# KiCad board Systemmodul25.2.kicad_pcb
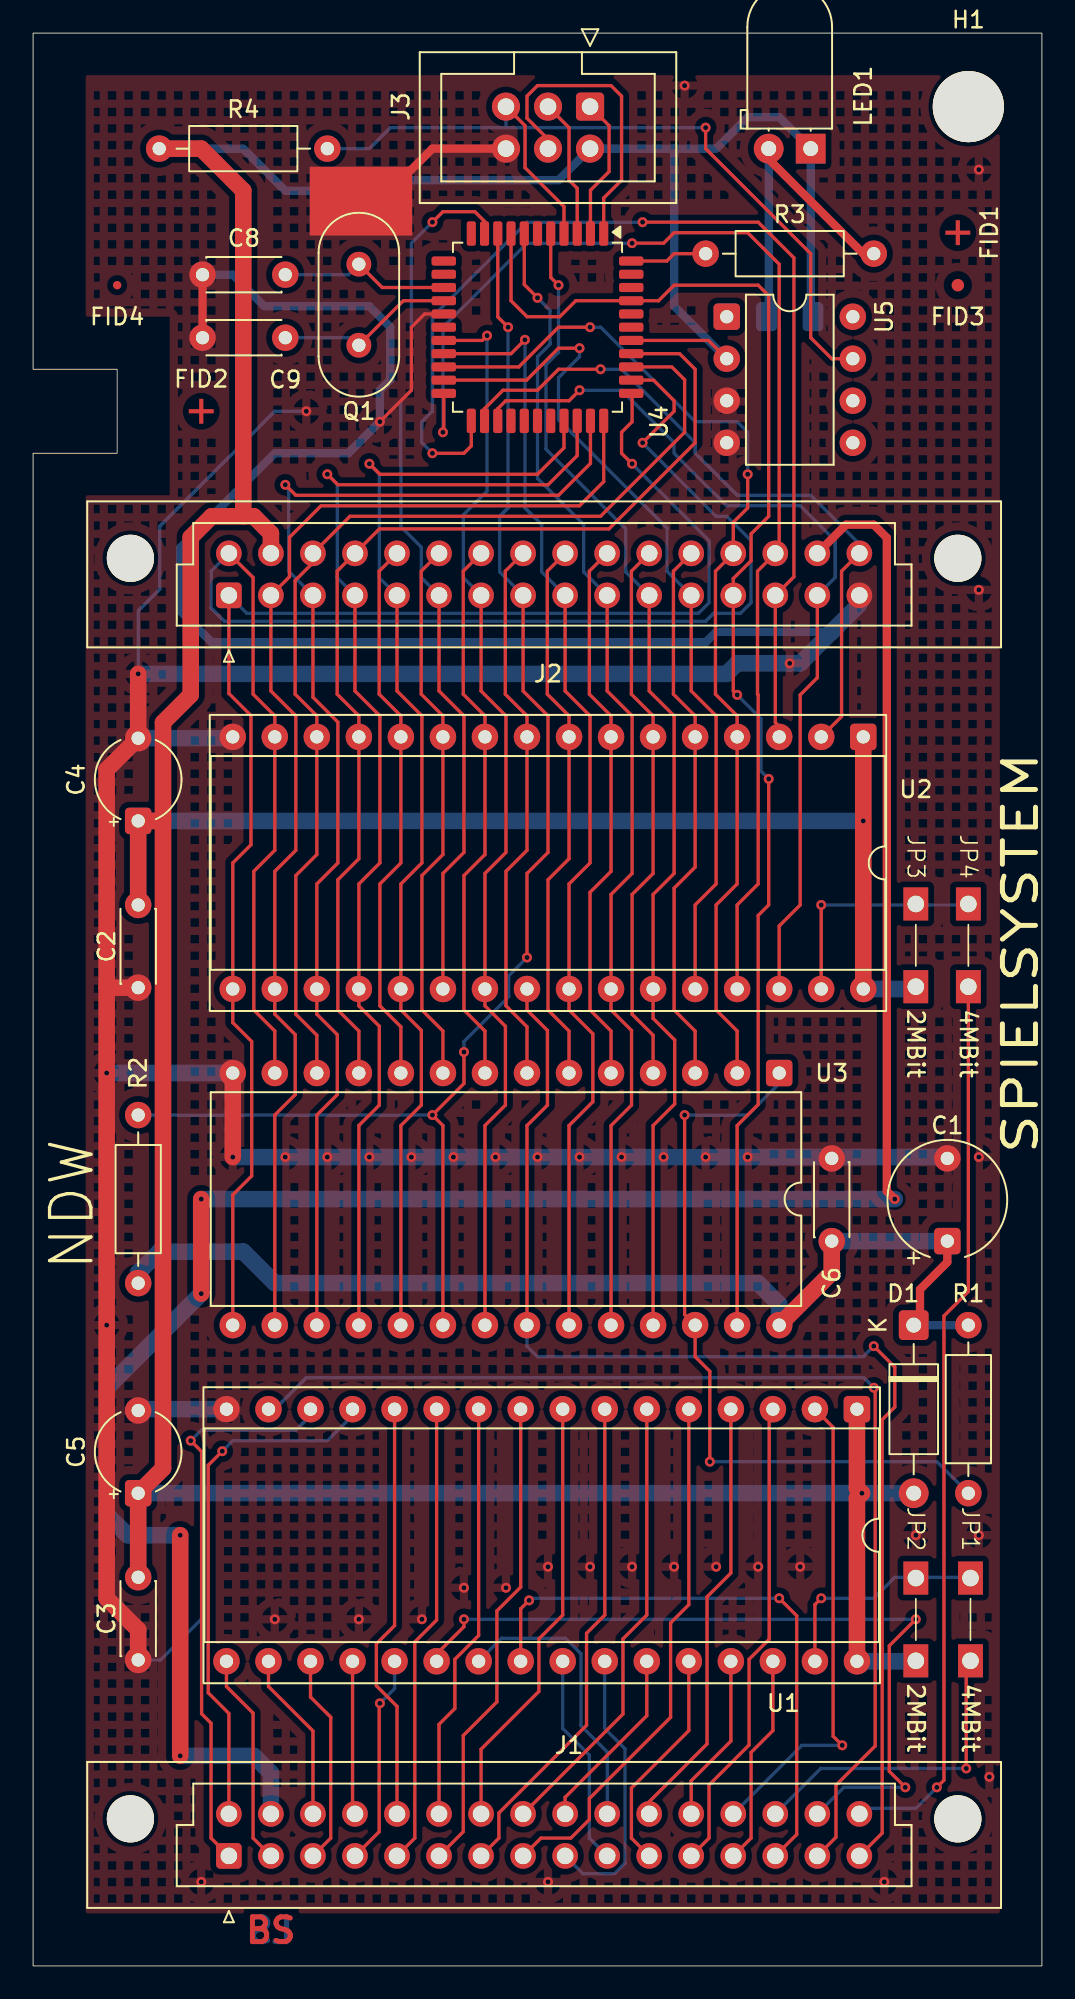
[diagram p0: board, top side]
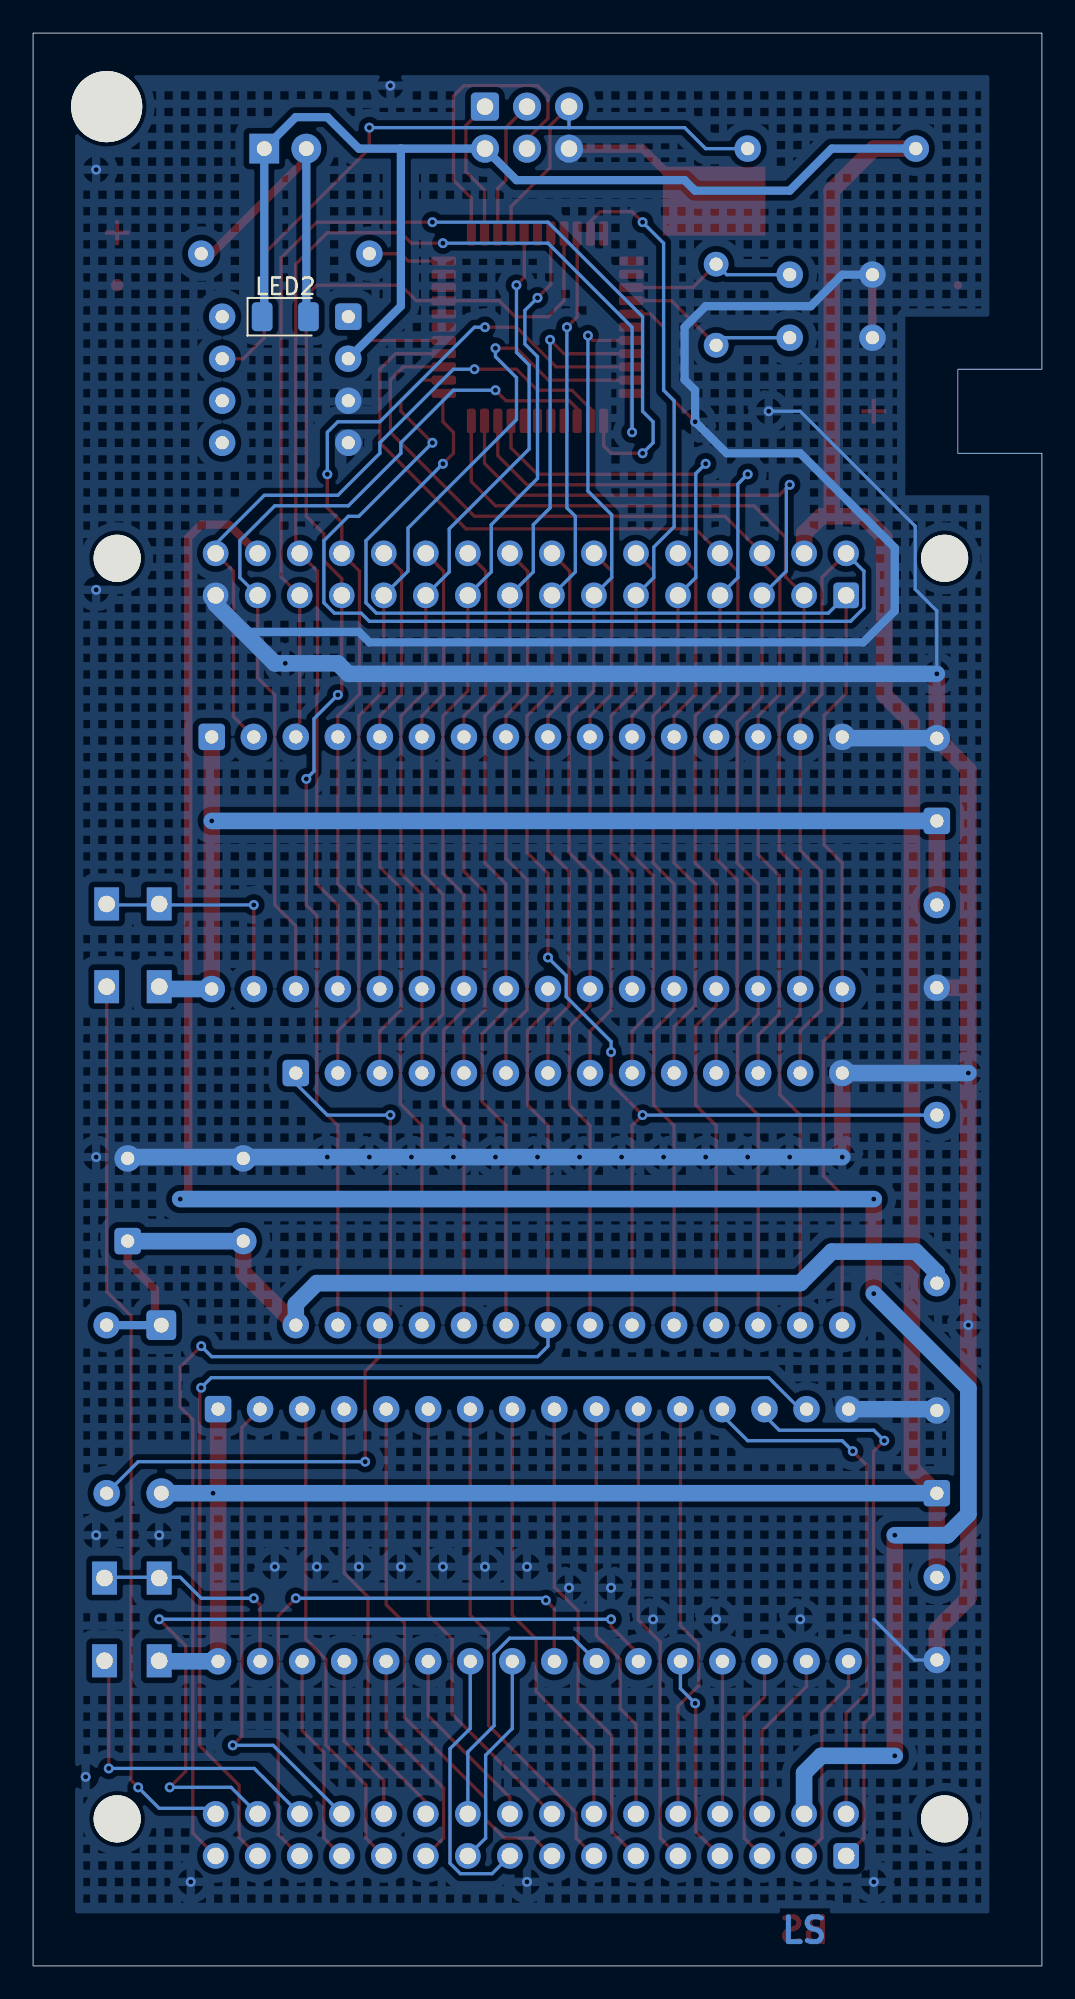
[diagram p1: board, bottom side, seen from below]

Outline 60.96 x 116.84 mm; copper layers: Top, Bottom. Coordinates in mm from the lower left corner of the outline.
Outline path: 0,116.84 60.96,116.84 60.96,0 0,0 0,91.44 5.08,91.44 5.08,96.52 0,96.52 closed

## Placement (name value [footprint] x y rotation side)
C1  C_Polarized  [CP_Radial_Tantal_D7.0mm_P5.00mm]  55.24 43.81 90 top  (not fitted)
C2  223  [C_Disc_D4.3mm_W1.9mm_P5.00mm]  6.35 64.13 270 top
C3  223  [C_Disc_D4.3mm_W1.9mm_P5.00mm]  6.35 23.49 270 top
C4  C_Polarized  [CP_Radial_Tantal_D5.0mm_P5.00mm]  6.35 69.22 90 top  (not fitted)
C5  C_Polarized  [CP_Radial_Tantal_D5.0mm_P5.00mm]  6.35 28.57 90 top  (not fitted)
C6  223  [C_Disc_D4.3mm_W1.9mm_P5.00mm]  48.26 43.81 90 top
C8  33  [C_Disc_D4.3mm_W1.9mm_P5.00mm]  10.24 102.23 0 top
C9  33  [C_Disc_D4.3mm_W1.9mm_P5.00mm]  10.24 98.42 0 top
D1  BAT85  [D_A-405_P10.16mm_Horizontal]  53.21 38.73 270 top
FID1  Fiducial  [Fiducial_Cross_1.5mm_Mask2mm]  55.88 104.77 90 top
FID2  Fiducial  [Fiducial_Cross_1.5mm_Mask2mm]  10.16 93.98 0 top
FID3  Fiducial  [Fiducial_0.75mm_Mask1.5mm]  55.88 101.6 0 top
FID4  Fiducial  [Fiducial_0.5mm_Mask1mm]  5.08 101.6 0 top
H1  MountingHole  [MountingHole_4.3mm_M4]  56.52 112.39 0 top
J1  DIN41612_02x16_AB  [DIN41612_Q2_2x16_Male_Vertical_THT]  11.83 6.65 90 top
J2  DIN41612_02x16_AB  [DIN41612_Q2_2x16_Male_Vertical_THT]  11.83 82.85 90 top
J3  AVR-ISP-6  [IDC-Header_2x03_P2.54mm_Vertical]  33.66 112.39 270 top
JP1  4MBit  [NSM_Jumper]  56.64 20.94 270 top
JP2  2MBit  [NSM_Jumper]  53.34 20.94 270 top
JP3  2MBit  [NSM_Jumper]  53.34 61.69 270 top
JP4  4MBit  [NSM_Jumper]  56.52 61.69 270 top
LED1  LED  [LED_D5.0mm_Horizontal_O1.27mm_Z3.0mm]  46.99 109.85 180 top
LED2  LED  [LED_1206_3216Metric]  45.72 99.69 180 bottom  (not fitted)
Q1  12.00J1  [Crystal_HC18-U_Vertical]  19.68 97.97 90 top
R1  22k  [R_Axial_DIN0207_L6.3mm_D2.5mm_P10.16mm_Horizontal]  56.52 38.73 270 top
R2  22k  [R_Axial_DIN0207_L6.3mm_D2.5mm_P10.16mm_Horizontal]  6.35 41.27 90 top
R3  470  [R_Axial_DIN0207_L6.3mm_D2.5mm_P10.16mm_Horizontal]  40.64 103.5 0 top
R4  220k  [R_Axial_DIN0207_L6.3mm_D2.5mm_P10.16mm_Horizontal]  7.62 109.85 0 top
U1  W27E040  [DIP-32_W15.24mm_Socket]  49.78 33.65 270 top
U2  W27E040  [DIP-32_W15.24mm_Socket]  50.16 74.29 270 top
U3  M48T18-100PC1  [DIP-28_W15.24mm]  45.08 53.97 270 top
U4  ATmega8515-16A  [TQFP-44_10x10mm_P0.8mm]  30.48 99.06 270 top
U5  MAX690CPA  [DIP-8_W7.62mm]  41.92 99.69 0 top

## Library data of the parts
C1 C4 C5 = -: Description: Polarized capacitor; KiLib_Generator: capacitor/THT/other; ki_fp_filters: CP_*
C2 C3 C6 = -: Description: Unpolarized capacitor; KiLib_Generator: capacitor/THT/other; ki_fp_filters: C_*
C8 C9 = -: Description: Unpolarized capacitor; KiLib_Generator: capacitor/THT/other; LCSC: C254101; ki_fp_filters: C_*
D1 = -: Description: Diode; KiLib_Generator: diode/THT; Sim.Device: D; Sim.Pins: 1=K 2=A; LCSC: C5334431; ki_fp_filters: TO-???* *_Diode_* *SingleDiode* D_*
FID1-FID4 = -: Description: Fiducial Marker; KiLib_Generator: fiducial; ki_fp_filters: Fiducial*
H1 = -: Description: Mounting Hole without connection; KiLib_Generator: mounting_hardware/mounting_hole; ki_fp_filters: MountingHole*
J1 J2 = -: Description: DIN41612 connector, double row (AB), 02x16, script generated (kicad-library-utils/schlib/autogen/connector/); KiLib_Generator: connector/IEC_DIN; LCSC: C5173393; ki_fp_filters: DIN41612*2x*
J3 = -: Description: Atmel 6-pin ISP connector; KiLib_Generator: connector/pin_header_socket; LCSC: C601936; ki_fp_filters: IDC?Header*2x03* Pin?Header*2x03*
JP1 JP4 = -: Description: Jumper, 2-pole, closed/bridged; ki_fp_filters: Jumper* TestPoint*2Pads* TestPoint*Bridge*
JP2 JP3 = -: Description: Jumper, 2-pole, open; ki_fp_filters: Jumper* TestPoint*2Pads* TestPoint*Bridge*
LED1 = -: Description: Light emitting diode; KiLib_Generator: LED/THT; Sim.Pins: 1=K 2=A; LCSC: C87271; ki_fp_filters: LED* LED_SMD:* LED_THT:*
LED2 = -: Description: Light emitting diode; KiLib_Generator: 1=K 2=A; LCSC: C2827254; Sim.Pins: 1=K 2=A; ki_fp_filters: LED* LED_SMD:* LED_THT:*
Q1 = -: Description: Two pin crystal; KiLib_Generator: crystal_resonator_oscillator; LCSC: C127674; ki_fp_filters: Crystal*
R1 R2 = -: Description: Resistor; KiLib_Generator: resistor/THT; LCSC: C61301; ki_fp_filters: R_*
R3 = -: Description: Resistor; KiLib_Generator: resistor/THT; LCSC: C61291; ki_fp_filters: R_*
R4 = -: Description: Resistor; KiLib_Generator: resistor/THT; LCSC: C61304; ki_fp_filters: R_*
U1 U2 = -: Datasheet: http://ww1.microchip.com/downloads/en/devicedoc/doc0189.pdf; Description: OTP EPROM 4 MiBit (512 Ki x 8); KiLib_Generator: package/DIP/legacy; LCSC: C72122; ki_fp_filters: DIP*W15.24mm* PLCC*
U3 = -: KiLib_Generator: package/DIP/legacy; LCSC: C72121
U4 = -: Datasheet: http://ww1.microchip.com/downloads/en/DeviceDoc/doc2512.pdf; Description: 16MHz, 8kB Flash, 512B SRAM, 512B EEPROM, TQFP-44; KiLib_Generator: package/gullwing; LCSC: C75774; ki_fp_filters: TQFP*10x10mm*P0.8mm*
U5 = -: Datasheet: https://www.analog.com/media/en/technical-documentation/data-sheets/max690-max695.pdf; Description: Microprocessor Supervisory Circuit, Battery-Backup Power Switching, Power-Fail Comparator, VCC 4.75...5.5V, VBATT 2.0...4.25V, Reset Voltage Threshold 4.65V, Reset Timeout Delay 50ms, Watchdog Timeout 1.6s, DIP-8; KiLib_Generator: package/DIP/legacy; LCSC: C3688193; ki_fp_filters: *DIP*W7.62mm*

## Footprints (pads in the part's own frame, mm; a bottom-side part is the same pattern mirrored in y, then rotated)
C_Disc_D4.3mm_W1.9mm_P5.00mm
  round 1.6 hole 0.8: 1(0,0) 2(5,0)
CP_Radial_Tantal_D5.0mm_P5.00mm
  rrect 1.6x1.6 hole 0.8: 1(0,0)
  round 1.6 hole 0.8: 2(5,0)
CP_Radial_Tantal_D7.0mm_P5.00mm
  rrect 1.6x1.6 hole 0.8: 1(0,0)
  round 1.6 hole 0.8: 2(5,0)
Crystal_HC18-U_Vertical
  round 1.5 hole 0.8: 1(0,0) 2(4.9,0)
D_A-405_P10.16mm_Horizontal
  rrect 1.8x1.8 hole 0.9: 1(0,0)
  round 1.8 hole 0.9: 2(10.16,0)
DIN41612_Q2_2x16_Male_Vertical_THT
  round 2.85 hole 2.85 unplated: (2.24,5.95) (2.24,-44.05)
  rrect 1.55x1.55 hole 1: a1(0,0)
  round 1.55 hole 1: a2(0,-2.54) a3(0,-5.08) a4(0,-7.62) a5(0,-10.16) a6(0,-12.7) a7(0,-15.24) a8(0,-17.78) a9(0,-20.32) a10(0,-22.86) a11(0,-25.4) a12(0,-27.94) a13(0,-30.48) a14(0,-33.02) a15(0,-35.56) a16(0,-38.1) b1(2.54,0) b2(2.54,-2.54) b3(2.54,-5.08) b4(2.54,-7.62) b5(2.54,-10.16) b6(2.54,-12.7) b7(2.54,-15.24) b8(2.54,-17.78) b9(2.54,-20.32) b10(2.54,-22.86) b11(2.54,-25.4) b12(2.54,-27.94) b13(2.54,-30.48) b14(2.54,-33.02) b15(2.54,-35.56) b16(2.54,-38.1)
DIP-8_W7.62mm
  rrect 1.6x1.6 hole 0.8: 1(0,0)
  round 1.6 hole 0.8: 2(0,-2.54) 3(0,-5.08) 4(0,-7.62) 5(7.62,-7.62) 6(7.62,-5.08) 7(7.62,-2.54) 8(7.62,0)
DIP-28_W15.24mm
  rrect 1.6x1.6 hole 0.8: 1(0,0)
  round 1.6 hole 0.8: 2(0,-2.54) 3(0,-5.08) 4(0,-7.62) 5(0,-10.16) 6(0,-12.7) 7(0,-15.24) 8(0,-17.78) 9(0,-20.32) 10(0,-22.86) 11(0,-25.4) 12(0,-27.94) 13(0,-30.48) 14(0,-33.02) 15(15.24,-33.02) 16(15.24,-30.48) 17(15.24,-27.94) 18(15.24,-25.4) 19(15.24,-22.86) 20(15.24,-20.32) 21(15.24,-17.78) 22(15.24,-15.24) 23(15.24,-12.7) 24(15.24,-10.16) 25(15.24,-7.62) 26(15.24,-5.08) 27(15.24,-2.54) 28(15.24,0)
DIP-32_W15.24mm_Socket
  rrect 1.6x1.6 hole 0.8: 1(0,0)
  round 1.6 hole 0.8: 2(0,-2.54) 3(0,-5.08) 4(0,-7.62) 5(0,-10.16) 6(0,-12.7) 7(0,-15.24) 8(0,-17.78) 9(0,-20.32) 10(0,-22.86) 11(0,-25.4) 12(0,-27.94) 13(0,-30.48) 14(0,-33.02) 15(0,-35.56) 16(0,-38.1) 17(15.24,-38.1) 18(15.24,-35.56) 19(15.24,-33.02) 20(15.24,-30.48) 21(15.24,-27.94) 22(15.24,-25.4) 23(15.24,-22.86) 24(15.24,-20.32) 25(15.24,-17.78) 26(15.24,-15.24) 27(15.24,-12.7) 28(15.24,-10.16) 29(15.24,-7.62) 30(15.24,-5.08) 31(15.24,-2.54) 32(15.24,0)
Fiducial_0.5mm_Mask1mm
  round 0.5 smd: (0,0)
Fiducial_0.75mm_Mask1.5mm
  round 0.75 smd: (0,0)
Fiducial_Cross_1.5mm_Mask2mm
  round 0.25 smd: (0,0)
  custom 1.5x1.5 smd: (0,0)
IDC-Header_2x03_P2.54mm_Vertical
  rrect 1.7x1.7 hole 1: 1(0,0)
  round 1.7 hole 1: 2(2.54,0) 3(0,-2.54) 4(2.54,-2.54) 5(0,-5.08) 6(2.54,-5.08)
LED_1206_3216Metric
  rrect 1.25x1.75 smd: 1(-1.4,0) 2(1.4,0)
LED_D5.0mm_Horizontal_O1.27mm_Z3.0mm
  rect 1.8x1.8 hole 0.9: 1(0,0)
  round 1.8 hole 0.9: 2(2.54,0)
MountingHole_4.3mm_M4
  round 4.3 hole 4.3 unplated: (0,0)
NSM_Jumper
  rect 2x1.5 hole 1: 1(-2.5,0) 2(2.5,0)
R_Axial_DIN0207_L6.3mm_D2.5mm_P10.16mm_Horizontal
  round 1.6 hole 0.8: 1(0,0) 2(10.16,0)
TQFP-44_10x10mm_P0.8mm
  rrect 1.475x0.55 smd: 1(-5.662,4) 2(-5.662,3.2) 3(-5.662,2.4) 4(-5.662,1.6) 5(-5.662,0.8) 6(-5.662,0) 7(-5.662,-0.8) 8(-5.662,-1.6) 9(-5.662,-2.4) 10(-5.662,-3.2) 11(-5.662,-4) 23(5.662,-4) 24(5.662,-3.2) 25(5.662,-2.4) 26(5.662,-1.6) 27(5.662,-0.8) 28(5.662,0) 29(5.662,0.8) 30(5.662,1.6) 31(5.662,2.4) 32(5.662,3.2) 33(5.662,4)
  rrect 0.55x1.475 smd: 12(-4,-5.662) 13(-3.2,-5.662) 14(-2.4,-5.662) 15(-1.6,-5.662) 16(-0.8,-5.662) 17(0,-5.662) 18(0.8,-5.662) 19(1.6,-5.662) 20(2.4,-5.662) 21(3.2,-5.662) 22(4,-5.662) 34(4,5.662) 35(3.2,5.662) 36(2.4,5.662) 37(1.6,5.662) 38(0.8,5.662) 39(0,5.662) 40(-0.8,5.662) 41(-1.6,5.662) 42(-2.4,5.662) 43(-3.2,5.662) 44(-4,5.662)

## Nets
GND: C1.2 C2.2 C3.2 C4.2 C5.2 C6.2 C8.1 C9.1 J2.a16 J3.6 U1.16 U2.16 U3.14 U4.16 U5.3 U5.4
VCC: C2.1 C3.1 C4.1 C5.1 D1.2 J2.b2 J3.2 JP2.2 JP3.2 LED1.1 LED2.1 R4.1 U1.1 U1.32 U2.1 U2.32 U4.38 U5.2
VDD: C1.1 C6.1 D1.1 R1.1 R2.1 U3.28
/NVRAM_E2: R1.2 U3.1 U3.26
NVRAM_E1: J2.a8 R2.2 U3.20 U4.9
NVRAM_W: J2.a13 U3.27 U4.8 U4.41
PRG_A0: J2.b5 U2.12 U3.10
PRG_A1: J2.b6 U2.11 U3.9
PRG_A2: J2.b7 U2.10 U3.8
PRG_A3: J2.b8 U2.9 U3.7
PRG_A4: J2.b9 U2.8 U3.6
PRG_A5: J2.b10 U2.7 U3.5
PRG_A6: J2.b11 U2.6 U3.4
PRG_A7: J2.b12 U2.5 U3.3
PRG_A8: J2.a11 U2.27 U3.25 U4.5
PRG_A9: J2.a10 U2.26 U3.24 U4.7
PRG_A10: J2.a7 U2.23 U3.21 U4.18
PRG_A11: J2.a9 U2.25 U3.23 U4.19
PRG_A12: J2.b13 U2.4 U3.2 U4.20
PRG_A13: J2.a12 U2.28 U4.21
PRG_A14: J2.b14 U2.29 U4.22
PRG_A15: J2.a14 U2.3 U4.23
PRG_A16: J2.b16 U2.2 U4.24
PRG_A17: J2.a15 U2.30 U4.25
PRG_A18: J1.b16 JP4.2
PRG_CE: J2.a6 U2.22 U4.10
PRG_D0: J2.b4 U2.13 U3.11 U4.37
PRG_D1: J2.b3 U2.14 U3.12 U4.36
PRG_D2: J2.b1 U2.15 U3.13 U4.35
PRG_D3: J2.a1 U2.17 U3.15 U4.34
PRG_D4: J2.a2 U2.18 U3.16 U4.33
PRG_D5: J2.a3 U2.19 U3.17 U4.32
PRG_D6: J2.a4 U2.20 U3.18 U4.31
PRG_D7: J2.a5 U2.21 U3.19 U4.30
PRG_OE: J1.a16 U2.24 U3.22
RESET: J3.5 R4.2 U4.4 U5.7
SND_A0: J1.b5 U1.12
SND_A1: J1.a5 U1.11
SND_A2: J1.b6 U1.10
SND_A3: J1.a6 U1.9
SND_A4: J1.b7 U1.8
SND_A5: J1.a7 U1.7
SND_A6: J1.b8 U1.6
SND_A7: J1.a8 U1.5
SND_A8: J1.b9 U1.27
SND_A9: J1.a9 U1.26
SND_A10: J1.b10 U1.23
SND_A11: J1.a10 U1.25
SND_A12: J1.b11 U1.4
SND_A13: J1.a11 U1.28
SND_A14: J1.b12 U1.29
SND_A15: J1.a12 U1.3
SND_A16: J1.b13 U1.2
SND_A17: J1.a13 U1.30
SND_A18: J1.b14 JP1.2
SND_CE: J1.b15 U1.22
SND_D0: J1.b1 U1.13
SND_D1: J1.a1 U1.14
SND_D2: J1.a15 U1.15
SND_D3: J1.a2 U1.17
SND_D4: J1.b3 U1.18
SND_D5: J1.a3 U1.19
SND_D6: J1.b4 U1.20
SND_D7: J1.a4 U1.21
SND_OE: J1.a14 U1.24
Net-(J1-Pin_b2): J1.b2 J2.b15
Net-(J3-MISO): J3.1 U4.2
Net-(J3-MOSI): J3.4 U4.1
Net-(J3-SCK): J3.3 U4.3
Net-(JP1-A): JP1.1 JP2.1 U1.31
Net-(JP3-A): JP3.1 JP4.1 U2.31
Net-(LED1-A): LED1.2 LED2.2 R3.2
Net-(U4-PB4): R3.1 U4.44
Net-(U4-XTAL1): C9.2 Q1.1 U4.15
Net-(U4-XTAL2): C8.2 Q1.2 U4.14

Pads without a net: U4 6 11 12 13 17 26 27 28 29 39 40 42 43; U5 1 5 6 8

## Via types
v1: diameter 0.6, hole 0.3, Top to Bottom, 91 vias

## Routing (per net, layer and track width the routed paths; a pad name or vN(x,y) marks a point on that pad's centre or on a via; arc(x,y) is an arc through that point)
GND: length 301.3
  Top w0.2: v1(20.96,93.34) 22.86,95.25 22.86,99.06 23.66,99.86 U4.16
  Top w0.5: 20.96,106.68 24.13,109.85 J3.6 ; C8.1 C9.1
  Top w1: U3.14 v1(12.07,48.89) ; C3.2 6.35,20.32 4.45,22.22 4.45,59.18 ; 4.45,59.18 4.45,72.31 C4.2 v1(6.35,78.1) ; 4.45,59.18 4.49,59.13 C2.2
  Bottom w0.2: 10.16,20.95 7.7,18.49 C3.2 ; v1(16.51,93.98) 14.61,93.98 7.66,87.03 7.66,83.22 6.35,81.91 v1(6.35,78.1)
  Bottom w0.5: 48.26,80.64 41.28,80.64 40.64,80.01 10.79,80.01 8.89,81.91 8.89,85.72 14.61,91.44 19.05,91.44 v1(20.96,93.34) 20.96,95.25 21.59,95.88 21.59,99.06 20.32,100.33 13.97,100.33 12.07,102.23 C8.1
  Bottom w1: U1.16 6.43,33.65 ; 55.16,48.89 v1(12.07,48.89) ; J2.a16 49.93,82.31 46.36,78.74 v1(45.72,78.74) 42.55,78.74 41.91,78.1 v1(6.35,78.1) ; U3.14 v1(4.45,53.97) ; C4.2 11.98,74.22
  vias: v1(4.45,38.73) v1(10.16,5.08) v1(14.61,20.95) v1(15.24,48.89) v1(17.78,48.89) v1(19.68,20.95) v1(20.32,48.89) v1(22.86,48.89) v1(23.5,20.95) v1(25.4,48.89) v1(26.04,22.86) v1(27.94,48.89) v1(28.57,22.86) v1(30.48,48.89) v1(31.11,24.13) v1(31.11,5.08) v1(33.02,48.89) v1(33.66,24.13) v1(35.56,48.89) v1(36.19,24.13) v1(38.1,48.89) v1(38.73,24.13) v1(39.37,113.66) v1(40.64,48.89) v1(41.28,24.13) v1(43.18,48.89) v1(43.81,24.13) v1(46.36,24.13) v1(51.44,5.08) v1(53.34,26.03) v1(57.15,108.58) v1(57.15,83.19) v1(57.15,48.89) v1(57.15,26.03) v1(57.78,11.43)
VCC: length 305.1
  Top w0.2: U5.2 40.81,98.26 U4.38
  Top w1: 7.85,69.34 7.72,69.22 C4.1 C2.1 ; 7.85,69.34 7.85,75.16 9.52,76.83 9.52,86.36 10.79,87.63 12.7,87.63 ; 7.85,69.34 7.85,30.08 C5.1 C3.1 ; 12.7,87.63 12.7,107.31 10.16,109.85 R4.1 ; 12.7,87.63 13.34,87.63 14.37,86.59 14.37,85.39 ; U2.1 U2.32 ; U1.1 49.78,28.88 v1(50.08,28.57) 49.78,28.27 U1.32
  Bottom w0.5: 38.73,109.85 J3.2 31.75,107.95 21.59,107.95 20.96,107.31 15.24,107.31 12.7,109.85 R4.1 ; 38.73,109.85 41.28,109.85 43.18,111.76 45.08,111.76 LED1.1 46.99,99.82 ; 38.73,109.85 38.73,100.33 U5.2
  Bottom w1: U1.32 53.34,18.41 ; C5.1 D1.2 ; v1(50.16,69.22) C4.1 ; U2.32 53.34,59.05
VDD: length 65.1
  Top w0.5: C1.1 55.24,42.54 53.59,40.89 53.59,39.12 D1.1
  Top w1: U3.28 48.26,41.91 C6.1
  Bottom w0.5: D1.1 R1.1
  Bottom w1: R2.1 6.35,41.91 7.62,43.18 12.7,43.18 14.61,41.27 43.81,41.27 45.08,40 U3.28 ; C6.1 C1.1
/NVRAM_E2: length 44.5
  Top w0.2: v1(39.37,51.43) 39.37,39.37 U3.26 40,36.83 40.89,35.94 v1(40.89,30.48)
  Bottom w0.2: 45.08,53.34 43.18,51.43 v1(39.37,51.43) ; v1(40.89,30.48) 54.61,30.48 R1.2
NVRAM_E1: length 88.6
  Top w0.2: v1(29.85,60.96) 29.85,66.04 31.11,67.31 31.11,75.56 29.61,77.07 J2.a8 ; U4.9 28.08,99.68 v1(28.7,99.06) ; U3.20 24.76,50.8 v1(24.13,51.43) 26.04,53.34 v1(26.04,55.24)
  Bottom w0.2: v1(28.7,99.06) 28.7,88.14 28.19,87.63 28.19,84.27 J2.a8 ; v1(29.85,60.96) 28.74,59.86 28.74,58.59 26.04,55.88 v1(26.04,55.24) ; R2.2 v1(24.13,51.43)
NVRAM_W: length 85.9
  Top w0.2: U3.27 42.55,50.8 43.81,52.07 43.81,63.5 44.45,64.13 v1(44.45,71.75) ; U4.8 28.88,100.66 29.85,99.69 31.83,99.69 32.79,100.66 U4.41 37.8,100.66 38.73,101.6 43.81,101.6 44.45,100.96 44.45,87.63 43.39,86.57 43.39,84.94 42.31,83.87 J2.a13 42.31,77.07 v1(42.55,76.83)
  Bottom w0.2: v1(44.45,71.75) 43.98,72.22 43.98,75.4 v1(42.55,76.83)
PRG_A0: length 33.5
  Top w0.2: J2.b5 20.91,84.31 20.91,76.88 22.22,75.56 U2.12 22.22,66.67 20.96,65.4 20.96,58.04 22.22,56.77 U3.10
PRG_A1: length 33.5
  Top w0.2: J2.b6 23.45,84.31 23.45,76.88 24.76,75.56 U2.11 24.76,67.18 23.5,65.91 23.5,57.78 24.76,56.51 U3.9
PRG_A2: length 33.5
  Top w0.2: U3.8 27.3,56.51 26.04,57.78 26.04,65.91 27.3,67.18 U2.10 27.3,75.56 25.99,76.88 25.99,84.31 J2.b7
PRG_A3: length 33.5
  Top w0.2: U3.7 29.85,56.77 28.57,58.04 28.57,66.17 29.85,67.44 U2.9 29.85,75.56 28.53,76.88 28.53,84.31 J2.b8
PRG_A4: length 33.5
  Top w0.2: 32.15,85.39 31.07,84.31 31.07,76.88 32.39,75.56 U2.8 32.39,66.93 31.11,65.66 31.11,57.78 32.39,56.51 U3.6
PRG_A5: length 33.5
  Top w0.2: U3.5 34.92,56.51 33.66,57.78 33.66,64.9 34.92,66.17 U2.7 34.92,75.56 33.61,76.88 33.61,84.31 J2.b10
PRG_A6: length 33.5
  Top w0.2: U3.4 37.47,56.26 36.19,57.53 36.19,64.77 37.47,66.04 U2.6 37.47,75.56 36.15,76.88 36.15,84.31 37.23,85.39
PRG_A7: length 33.5
  Top w0.2: J2.b12 38.69,84.31 38.69,76.88 40,75.56 U2.5 40,66.42 38.73,65.15 38.73,57.78 40,56.51 U3.3
PRG_A8: length 71.3
  Top w0.2: 37.23,82.85 37.23,77.07 38.73,75.56 38.73,66.04 37.47,64.77 U2.27 37.47,57.28 38.77,55.97 38.77,52.1 37.47,50.8 U3.25 ; v1(31.75,101.6) 31.28,102.07 U4.5
  Bottom w0.2: 37.23,82.85 35.81,84.27 35.81,86.87 30.99,91.69 30.99,96.77 31.75,97.54 v1(31.75,101.6)
PRG_A9: length 70.9
  Top w0.2: 29.68,104.72 29.68,101.64 v1(30.48,100.84) ; U3.24 34.92,50.8 36.16,52.04 36.16,56.55 34.92,57.78 U2.26 34.92,64.77 36.19,66.04 36.19,75.56 34.69,77.07 J2.a10
  Bottom w0.2: v1(30.48,100.84) 31.24,100.08 31.24,98.04 30.48,97.28 30.48,89.92 33.27,87.12 33.27,84.27 J2.a10
PRG_A10: length 65.8
  Top w0.2: U3.21 27.3,50.8 28.54,52.04 28.54,56.8 27.3,58.04 U2.23 27.3,66.04 28.57,67.31 28.57,75.56 27.07,77.07 J2.a7 ; v1(27.43,98.55) 27.14,98.26 U4.18
  Bottom w0.2: J2.a7 25.99,83.93 25.99,87.72 27.43,89.15 v1(27.43,98.55)
PRG_A11: length 68.2
  Top w0.2: U4.19 28.88,97.46 v1(29.72,98.3) ; U3.23 32.39,50.8 33.82,52.24 33.82,56.35 32.39,57.78 U2.25 32.39,65.4 33.66,66.67 33.66,75.56 32.15,77.07 32.15,82.85
  Bottom w0.2: v1(29.72,98.3) 29.72,88.14 30.73,87.12 30.73,84.27 32.15,82.85
PRG_A12: length 63.1
  Top w0.2: U3.2 42.55,56.51 41.28,57.78 41.28,64.13 42.55,65.4 U2.4 42.55,75.56 41.23,76.88 41.23,84.31 J2.b13 42.31,87.27 43.18,88.14 v1(43.18,90.17) ; U4.20 29.35,96.66 31.75,99.06 v1(33.66,99.06)
  Bottom w0.2: v1(33.66,99.06) 34.29,99.06 40,93.34 42.55,93.34 43.18,92.71 v1(43.18,90.17)
PRG_A13: length 52.7
  Top w0.2: U2.28 40,64.13 41.28,65.4 41.28,75.56 39.77,77.07 J2.a12 ; U4.21 29.82,95.86 31.75,97.79 v1(33.02,97.79)
  Bottom w0.2: v1(33.02,97.79) 33.02,97.28 31.75,96.01 31.75,93.47 38.31,86.92 38.31,84.31 J2.a12
PRG_A14: length 76.8
  Top w0.2: U4.22 24.82,92.76 v1(24.76,92.71) ; 45.08,85.62 45.08,102.87 43.18,104.77 38.73,104.77 38.1,104.14 v1(36.19,104.14) ; J2.b14 43.77,84.31 43.77,76.88 43.81,76.83 43.81,65.4 42.55,64.13 U2.29
  Bottom w0.2: v1(36.19,104.14) 29.85,104.14 24.76,99.06 v1(24.76,92.71)
PRG_A15: length 66.8
  Top w0.2: v1(24.13,91.44) 26.04,91.44 26.48,91.88 U4.23 ; 45.08,74.93 44.85,75.16 J2.a14 45.97,83.97 45.97,103.25 43.81,105.41 v1(36.83,105.41)
  Bottom w0.2: v1(24.13,91.44) 23.5,92.07 23.5,93.34 24.13,93.98 24.13,99.69 29.85,105.41 v1(36.83,105.41)
PRG_A16: length 41.2
  Top w0.2: J2.b16 48.85,84.31 48.85,75.52 U2.2 ; v1(34.29,96.52) 31.75,96.52 30.48,95.25 28.4,95.25 27.28,94.13 U4.24
  Bottom w0.2: 49.93,85.96 46.99,88.9 42.55,88.9 40,91.44 40,92.07 35.56,96.52 v1(34.29,96.52)
PRG_A17: length 54.2
  Top w0.2: U2.30 45.08,62.86 46.36,64.13 46.36,76.83 47.39,77.87 J2.a15 ; U4.25 28.08,94.13 28.56,94.61 32.39,94.61 v1(33.02,95.25)
  Bottom w0.2: v1(33.02,95.25) 35.56,95.25 38.73,92.07 38.73,91.44 41.91,88.26 46.36,88.26 48.47,86.15 48.47,83.93 J2.a15
PRG_A18: length 53.9
  Top w0.2: 56.52,59.05 56.52,40.77 55.04,39.29 55.04,11.23 v1(54.61,10.79)
  Bottom w0.2: 50.27,9.52 53.34,9.52 v1(54.61,10.79)
PRG_CE: length 53.6
  Top w0.2: J2.a6 24.53,77.07 26.04,75.56 26.04,67.31 24.76,66.04 U2.22 ; v1(24.13,105.41) 24.76,106.04 26.69,106.04 27.28,105.46 U4.10
  Bottom w0.2: v1(24.13,105.41) 22.86,104.14 22.86,95.25 22.22,94.61 22.22,86.99 23.45,85.77 23.45,83.93 J2.a6
PRG_D0: length 65.5
  Top w0.2: U4.37 39.06,97.46 40,96.52 40,92.07 34.8,86.87 20.93,86.87 J2.b4 18.37,84.31 18.37,76.88 19.68,75.56 U2.13 19.68,66.93 18.42,65.66 18.42,57.78 19.68,56.51 U3.11
PRG_D1: length 65.1
  Top w0.2: U3.12 17.14,56.26 15.88,57.53 15.88,65.91 17.14,67.18 U2.14 17.14,75.56 15.83,76.88 15.83,83.75 16.91,84.82 ; U4.36 38.59,96.66 39.37,95.88 39.37,92.71 34.29,87.63 19.15,87.63 J2.b3
PRG_D2: length 90
  Top w0.2: J2.b1 13.29,83.93 13.29,76.88 14.61,75.56 U2.15 14.61,67.44 13.34,66.17 13.34,57.78 14.61,56.51 U3.13 ; U4.35 37.49,95.86 38.73,94.61 38.73,93.98 v1(36.83,92.07)
  Bottom w0.2: v1(36.83,92.07) 41.28,87.63 41.91,87.63 43.39,86.15 43.39,82.4 42.76,81.77 41.13,81.77 40.64,81.28 11.56,81.28 10.75,82.09 10.75,84.31 J2.b1
PRG_D3: length 90.8
  Top w0.2: v1(36.19,90.8) 35.56,91.44 35.56,92.71 36.19,93.34 36.19,95.01 ; U3.15 12.07,46.61 13.21,47.75 13.21,55.88 12.07,57.02 U2.17 12.07,66.67 13.17,67.78 13.17,75.59 11.83,76.92 J2.a1
  Bottom w0.2: v1(36.19,90.8) 40.85,86.15 40.85,82.4 40.22,81.77 12.91,81.77 J2.a1
PRG_D4: length 74.3
  Top w0.2: U3.16 14.61,51.43 15.84,52.67 15.84,56.29 14.61,57.53 U2.18 14.61,66.17 15.88,67.44 15.88,75.56 14.37,77.07 14.37,82.85 15.49,83.97 15.49,86.36 17.4,88.26 33.02,88.26 34.48,89.72 U4.33
PRG_D5: length 75.7
  Top w0.2: v1(15.24,89.53) 15.88,88.9 31.75,88.9 33.68,90.83 33.68,93.4 ; U3.17 17.14,51.43 18.38,52.67 18.38,56.29 17.14,57.53 U2.19 17.14,65.4 18.42,66.67 18.42,75.18 16.91,76.69 J2.a3
  Bottom w0.2: v1(15.24,89.53) 15.45,89.33 15.45,84.31 J2.a3
PRG_D6: length 72.5
  Top w0.2: U3.18 19.68,50.8 20.92,52.04 20.92,56.8 19.68,58.04 U2.20 19.68,65.4 20.96,66.67 20.96,75.56 19.45,77.07 J2.a4 ; U4.31 32.88,91.3 31.11,89.53 18.42,89.53 v1(17.78,90.17)
  Bottom w0.2: v1(17.78,90.17) 18.37,89.58 18.37,83.93 J2.a4
PRG_D7: length 69.2
  Top w0.2: v1(20.32,90.8) 20.96,90.17 30.48,90.17 32.08,91.77 U4.30 ; J2.a5 21.99,77.07 23.5,75.56 23.5,66.67 22.22,65.4 U2.21 22.22,57.78 23.46,56.55 23.46,52.04 22.22,50.8 U3.19
  Bottom w0.2: J2.a5 20.91,83.93 20.91,90.21 v1(20.32,90.8)
PRG_OE: length 76.3
  Top w0.2: U2.24 29.85,57.78 31.08,56.55 31.08,52.04 29.85,50.8 U3.22 ; J1.a16 51.31,8.03 51.31,33.02 52.07,33.78 52.07,36.19 v1(50.8,37.46)
  Bottom w0.2: U3.22 29.85,37.46 30.48,36.83 50.16,36.83 v1(50.8,37.46)
RESET: length 52.2
  Top w0.2: U4.4 32.08,106.35 29.73,108.7 29.73,111.24 J3.5 ; U5.7 48.26,97.16 46.99,98.42 46.99,103.5 40.64,109.85 v1(40.64,111.12)
  Bottom w0.2: 28.57,111.12 v1(40.64,111.12) ; 28.57,111.12 21.59,111.12 20.32,109.85 17.78,109.85 ; 28.57,111.12 J3.5
SND_A0: length 25.4
  Top w0.2: U1.12 21.84,20.57 20.74,19.47 20.74,16.94 21.99,15.69 J1.b5
SND_A1: length 28
  Top w0.2: U1.11 24.38,20.91 23.07,19.59 23.07,7.73 J1.a5
SND_A2: length 25.5
  Top w0.2: U1.10 26.92,19.97 25.49,18.53 25.49,15.56 24.53,14.6 J1.b6
SND_A3: length 29
  Top w0.2: J1.a6 25.99,8.11 25.99,13.93 28.03,15.96 28.03,21.46 29.46,22.9 U1.9
SND_A4: length 26.5
  Top w0.2: J1.b7 27.07,13.1 30.57,16.59 30.57,19.77 32,21.21 U1.8
SND_A5: length 30.1
  Top w0.2: U1.7 34.54,21.21 33.44,20.11 33.44,14.54 28.15,9.25 28.15,7.73 J1.a7
SND_A6: length 27.6
  Top w0.2: J1.b8 35.64,15.22 35.64,19.77 37.08,21.21 U1.6
SND_A7: length 32.2
  Top w0.2: U1.5 39.62,21.84 38.52,20.74 38.52,15.03 33.61,10.12 33.61,8.85 32.49,7.73 30.69,7.73 J1.a8
SND_A8: length 11.3
  Top w0.2: 32.15,9.19 32.15,10.19 37.08,15.13 U1.27
SND_A9: length 17
  Bottom w0.2: U1.26 34.54,14.35 35.77,13.13 35.77,6.2 35.14,5.57 33.23,5.57 32.15,6.65
SND_A10: length 17.5
  Bottom w0.2: U1.23 28.32,19.81 32.16,19.81 33.11,18.87 33.11,14.52 34.69,12.93 J1.b10
SND_A11: length 12.9
  Bottom w0.2: J1.a10 33.61,7.73 33.61,12.74 32,14.35 U1.25
SND_A12: length 26.5
  Top w0.2: U1.4 42.16,23.75 40.72,22.31 40.72,13.42 37.23,9.92 37.23,9.19
SND_A13: length 13.6
  Top w0.2: U1.28 39.62,14.22 36.15,10.75 36.15,7.73 37.23,6.65
SND_A14: length 10.2
  Top w0.2: J1.b12 39.77,11.19 42.16,13.59 U1.29
SND_A15: length 28.7
  Top w0.2: J1.a12 40.85,7.73 40.85,10.93 43.27,13.35 43.27,18.53 44.48,19.75 44.48,33.43
SND_A16: length 29.3
  Top w0.2: U1.2 48.34,32.55 48.34,13.88 v1(48.89,13.33)
  Bottom w0.2: v1(48.89,13.33) 46.45,13.33 J1.b13
SND_A17: length 12.8
  Top w0.2: J1.a13 43.39,7.73 43.39,12.91 44.7,14.22 U1.30
SND_A18: length 18.9
  Top w0.2: v1(56.39,11.94) 56.39,18.16
  Bottom w0.2: J1.b14 47.6,11.94 v1(56.39,11.94)
SND_CE: length 47.3
  Top w0.2: 24.38,18.86 26.04,20.51 v1(26.04,20.95) ; v1(52.7,10.79) 51.74,11.76 51.74,19.35 v1(53.34,20.95)
  Bottom w0.2: v1(53.34,20.95) v1(26.04,20.95) ; J1.b15 49,10.79 v1(52.7,10.79)
SND_D0: length 31.6
  Top w0.2: J1.b1 11.83,15.26 10.58,16.51 10.58,30.27 v1(11.43,31.11)
  Bottom w0.2: v1(11.43,31.11) 12.07,31.75 17.78,31.75 19.3,33.27
SND_D1: length 33.9
  Top w0.2: J1.a1 10.75,7.73 10.75,14.67 10.18,15.24 10.18,31.09 v1(9.52,31.75)
  Bottom w0.2: 16.76,33.27 15.88,32.38 10.16,32.38 v1(9.52,31.75)
SND_D2: length 67
  Top w0.2: v1(50.8,34.95) 50.88,34.87 50.88,13.29 48.51,10.92 48.51,7.77 J1.a15
  Bottom w0.2: 14.61,33.65 16.51,35.56 50.19,35.56 v1(50.8,34.95)
SND_D3: length 12.9
  Top w0.2: U1.17 11.68,16.89 13.29,15.28 13.29,7.73 14.37,6.65
SND_D4: length 10.3
  Top w0.2: J1.b3 16.91,14.2 14.22,16.89 U1.18
SND_D5: length 12.7
  Top w0.2: J1.a3 17.99,7.73 17.99,15.03 16.76,16.26 U1.19
SND_D6: length 9.1
  Top w0.2: U1.20 19.3,9.34
SND_D7: length 12.8
  Top w0.2: v1(20.96,15.88) 20.91,15.83 20.91,8.11 J1.a4
  Bottom w0.2: U1.21 21.84,16.76 v1(20.96,15.88)
SND_OE: length 35.6
  Top w0.2: v1(29.97,22.1) 29.46,21.59 U1.24 ; v1(45.08,22.22) 46.14,21.17 46.14,7.94 J1.a14
  Bottom w0.2: v1(29.97,22.1) 30.1,22.22 v1(45.08,22.22)
Net-(J1-Pin_b2): length 135.4
  Top w0.5: v1(52.07,46.35) 51.59,46.84 51.59,86.33 50.8,87.12 49.12,87.12 J2.b15
  Top w1: v1(10.16,40.64) v1(10.16,46.35) ; v1(8.89,12.7) v1(8.89,26.03)
  Bottom w1: 14.37,9.19 14.37,11.66 13.34,12.7 v1(8.89,12.7) ; v1(10.16,46.35) v1(52.07,46.35) ; v1(8.89,26.03) 5.71,26.03 4.45,27.3 4.45,34.92 v1(10.16,40.64)
Net-(J3-MISO): length 8.6
  Top w0.2: 33.68,104.72 33.68,107.34 34.81,108.47 34.81,111.24 J3.1
Net-(J3-MOSI): length 18.1
  Top w0.2: U4.1 34.48,106.87 35.56,107.95 35.56,113.03 34.92,113.66 30.48,113.66 29.85,113.03 29.85,111.69 31.11,110.42
Net-(J3-SCK): length 8.4
  Top w0.2: J3.3 32.39,111.12 32.39,107.95 32.88,107.45 U4.3
Net-(JP1-A): length 13.5
  Top w0.2: U1.31 47.24,21.84 v1(47.62,22.22)
  Bottom w0.2: v1(47.62,22.22) 50.8,22.22 52.07,23.49 56.64,23.49
Net-(JP3-A): length 14
  Top w0.2: v1(47.62,64.13) U2.31
  Bottom w0.2: v1(47.62,64.13) 56.52,64.13
Net-(LED1-A): length 18.7
  Top w0.5: 44.45,109.22 50.16,103.5 R3.2
  Bottom w0.5: LED1.2 44.45,99.82
Net-(U4-PB4): length 4.7
  Top w0.2: U4.44 38.29,103.06 38.73,103.5 R3.1
Net-(U4-XTAL1): length 10.2
  Top w0.2: Q1.1 22.37,100.66 U4.15
  Bottom w0.2: C9.2 19.23,98.42
Net-(U4-XTAL2): length 10.4
  Top w0.2: U4.14 21.1,101.46 Q1.2
  Bottom w0.2: Q1.2 19.05,102.23 C8.2

## Copper pours and planes (outline as drawn; the poured copper is in the pictures)
GND on Top, Bottom: 3.18,88.9 8.25,88.9 8.25,99.69 3.18,99.69 3.18,114.3 58.42,114.3 58.42,3.17 3.18,3.17

## Text on the board
Bottom: LS
Top: BS
F.Silkscreen: SPIELSYSTEM | NDW
